# KiCad board panelized.kicad_pcb (continued)
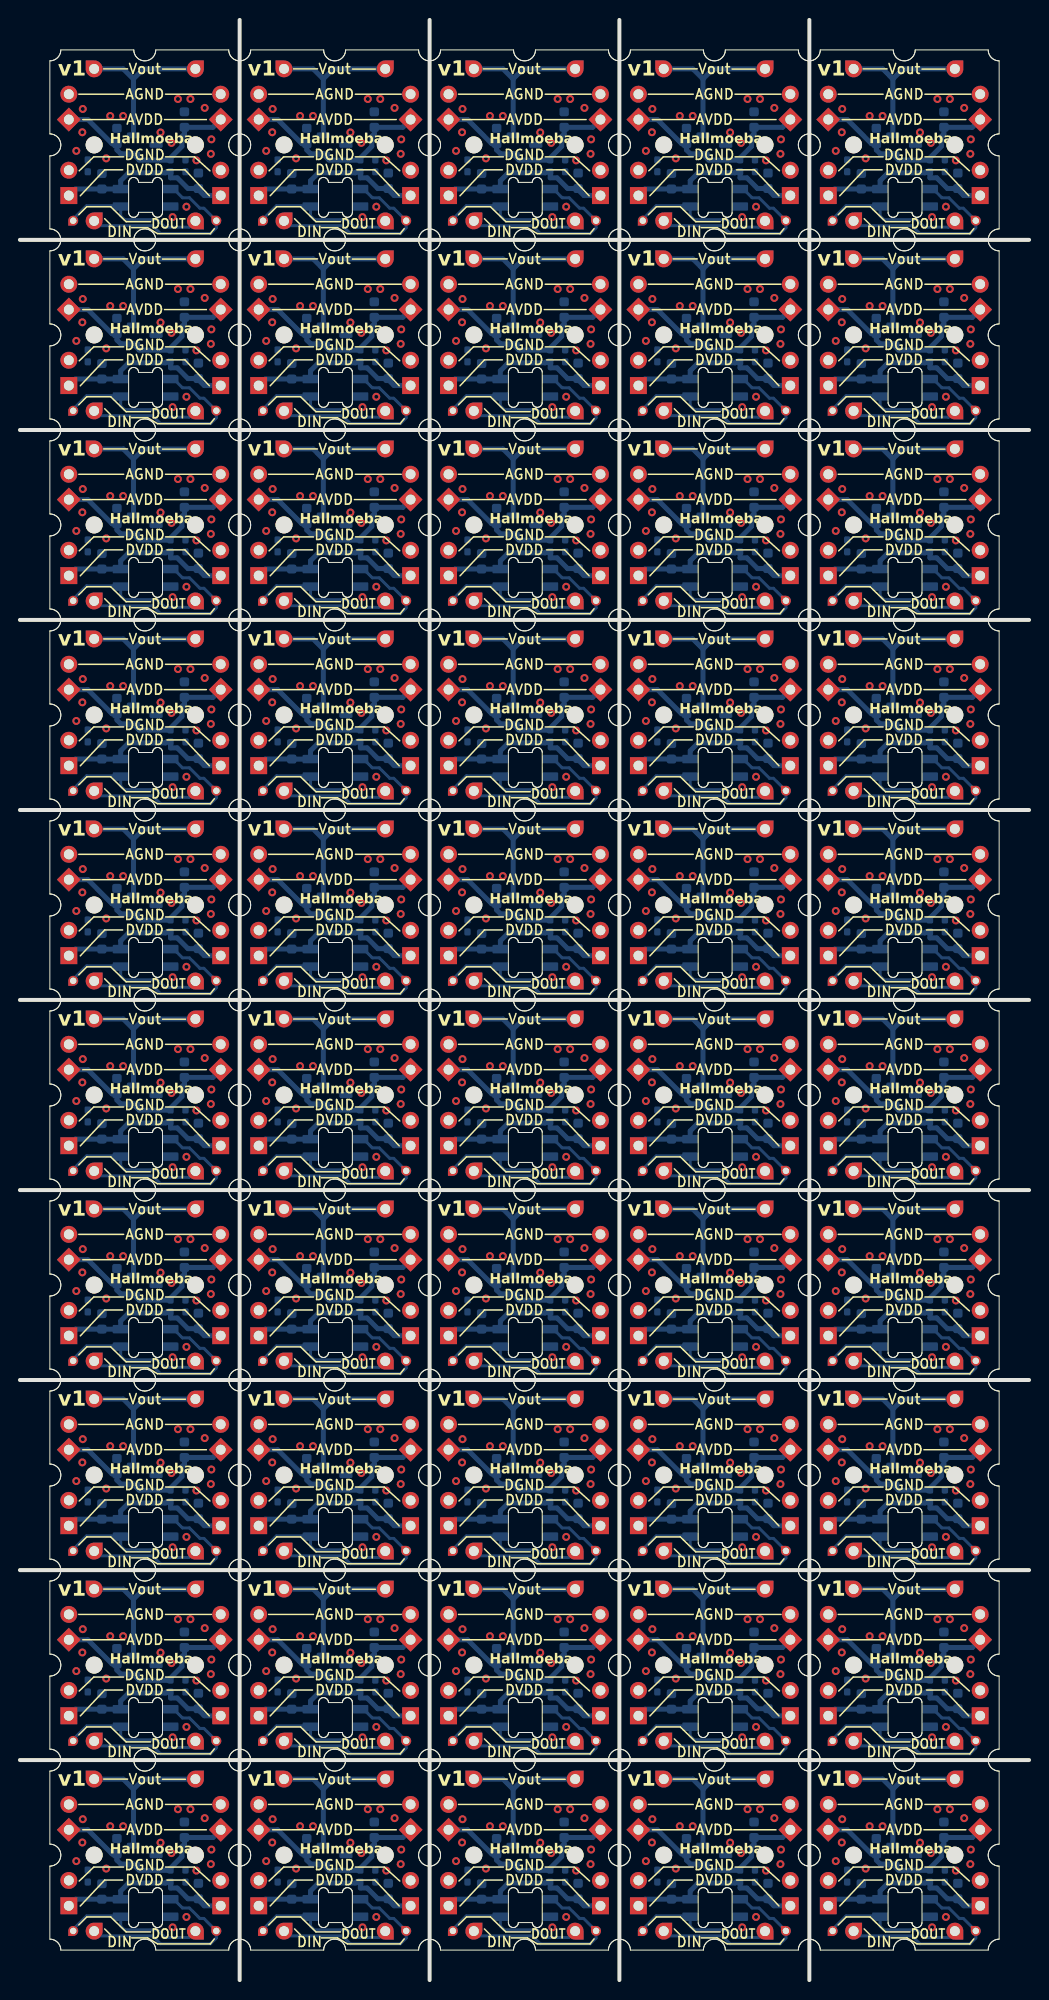
[diagram p0: board, top side]
## Placement (name value [footprint] x y rotation side) (continued)
R1#48  R  [R_0402_1005Metric_Pad0.72x0.64mm_HandSolder]  92.81 143.78 90 bottom
R1#49  R  [R_0402_1005Metric_Pad0.72x0.64mm_HandSolder]  16.61 10.43 90 bottom
R1#50  R  [R_0402_1005Metric_Pad0.72x0.64mm_HandSolder]  73.75 143.78 90 bottom
R2  R  [R_0402_1005Metric_Pad0.72x0.64mm_HandSolder]  44.91 162.82 90 bottom
R2#2  R  [R_0402_1005Metric_Pad0.72x0.64mm_HandSolder]  25.86 67.57 90 bottom
R2#3  R  [R_0402_1005Metric_Pad0.72x0.64mm_HandSolder]  44.91 67.57 90 bottom
R2#4  R  [R_0402_1005Metric_Pad0.72x0.64mm_HandSolder]  6.81 105.67 90 bottom
R2#5  R  [R_0402_1005Metric_Pad0.72x0.64mm_HandSolder]  44.91 143.78 90 bottom
R2#6  R  [R_0402_1005Metric_Pad0.72x0.64mm_HandSolder]  83 86.62 90 bottom
R2#7  R  [R_0402_1005Metric_Pad0.72x0.64mm_HandSolder]  25.86 143.78 90 bottom
R2#8  R  [R_0402_1005Metric_Pad0.72x0.64mm_HandSolder]  83 162.82 90 bottom
R2#9  R  [R_0402_1005Metric_Pad0.72x0.64mm_HandSolder]  25.86 181.88 90 bottom
R2#10  R  [R_0402_1005Metric_Pad0.72x0.64mm_HandSolder]  44.91 29.47 90 bottom
R2#11  R  [R_0402_1005Metric_Pad0.72x0.64mm_HandSolder]  63.96 162.82 90 bottom
R2#12  R  [R_0402_1005Metric_Pad0.72x0.64mm_HandSolder]  44.91 124.72 90 bottom
R2#13  R  [R_0402_1005Metric_Pad0.72x0.64mm_HandSolder]  25.86 48.53 90 bottom
R2#14  R  [R_0402_1005Metric_Pad0.72x0.64mm_HandSolder]  83 105.67 90 bottom
R2#15  R  [R_0402_1005Metric_Pad0.72x0.64mm_HandSolder]  6.81 29.47 90 bottom
R2#16  R  [R_0402_1005Metric_Pad0.72x0.64mm_HandSolder]  25.86 124.72 90 bottom
R2#17  R  [R_0402_1005Metric_Pad0.72x0.64mm_HandSolder]  63.96 67.57 90 bottom
R2#18  R  [R_0402_1005Metric_Pad0.72x0.64mm_HandSolder]  25.86 29.47 90 bottom
R2#19  R  [R_0402_1005Metric_Pad0.72x0.64mm_HandSolder]  63.96 29.47 90 bottom
R2#20  R  [R_0402_1005Metric_Pad0.72x0.64mm_HandSolder]  44.91 105.67 90 bottom
R2#21  R  [R_0402_1005Metric_Pad0.72x0.64mm_HandSolder]  63.96 143.78 90 bottom
R2#22  R  [R_0402_1005Metric_Pad0.72x0.64mm_HandSolder]  25.86 105.67 90 bottom
R2#23  R  [R_0402_1005Metric_Pad0.72x0.64mm_HandSolder]  83 181.88 90 bottom
R2#24  R  [R_0402_1005Metric_Pad0.72x0.64mm_HandSolder]  44.91 48.53 90 bottom
R2#25  R  [R_0402_1005Metric_Pad0.72x0.64mm_HandSolder]  63.96 105.67 90 bottom
R2#26  R  [R_0402_1005Metric_Pad0.72x0.64mm_HandSolder]  6.81 124.72 90 bottom
R2#27  R  [R_0402_1005Metric_Pad0.72x0.64mm_HandSolder]  6.81 86.62 90 bottom
R2#28  R  [R_0402_1005Metric_Pad0.72x0.64mm_HandSolder]  6.81 181.88 90 bottom
R2#29  R  [R_0402_1005Metric_Pad0.72x0.64mm_HandSolder]  63.96 181.88 90 bottom
R2#30  R  [R_0402_1005Metric_Pad0.72x0.64mm_HandSolder]  6.81 10.43 90 bottom
R2#31  R  [R_0402_1005Metric_Pad0.72x0.64mm_HandSolder]  63.96 10.43 90 bottom
R2#32  R  [R_0402_1005Metric_Pad0.72x0.64mm_HandSolder]  63.96 86.62 90 bottom
R2#33  R  [R_0402_1005Metric_Pad0.72x0.64mm_HandSolder]  63.96 124.72 90 bottom
R2#34  R  [R_0402_1005Metric_Pad0.72x0.64mm_HandSolder]  63.96 48.53 90 bottom
R2#35  R  [R_0402_1005Metric_Pad0.72x0.64mm_HandSolder]  83 10.43 90 bottom
R2#36  R  [R_0402_1005Metric_Pad0.72x0.64mm_HandSolder]  6.81 48.53 90 bottom
R2#37  R  [R_0402_1005Metric_Pad0.72x0.64mm_HandSolder]  83 48.53 90 bottom
R2#38  R  [R_0402_1005Metric_Pad0.72x0.64mm_HandSolder]  44.91 10.43 90 bottom
R2#39  R  [R_0402_1005Metric_Pad0.72x0.64mm_HandSolder]  25.86 86.62 90 bottom
R2#40  R  [R_0402_1005Metric_Pad0.72x0.64mm_HandSolder]  25.86 162.82 90 bottom
R2#41  R  [R_0402_1005Metric_Pad0.72x0.64mm_HandSolder]  6.81 143.78 90 bottom
R2#42  R  [R_0402_1005Metric_Pad0.72x0.64mm_HandSolder]  44.91 181.88 90 bottom
R2#43  R  [R_0402_1005Metric_Pad0.72x0.64mm_HandSolder]  6.81 67.57 90 bottom
R2#44  R  [R_0402_1005Metric_Pad0.72x0.64mm_HandSolder]  83 124.72 90 bottom
R2#45  R  [R_0402_1005Metric_Pad0.72x0.64mm_HandSolder]  83 67.57 90 bottom
R2#46  R  [R_0402_1005Metric_Pad0.72x0.64mm_HandSolder]  83 143.78 90 bottom
R2#47  R  [R_0402_1005Metric_Pad0.72x0.64mm_HandSolder]  83 29.47 90 bottom
R2#48  R  [R_0402_1005Metric_Pad0.72x0.64mm_HandSolder]  25.86 10.43 90 bottom
R2#49  R  [R_0402_1005Metric_Pad0.72x0.64mm_HandSolder]  44.91 86.62 90 bottom
R2#50  R  [R_0402_1005Metric_Pad0.72x0.64mm_HandSolder]  6.81 162.82 90 bottom
R3  R  [R_0402_1005Metric_Pad0.72x0.64mm_HandSolder]  34.16 10.43 90 bottom
R3#2  R  [R_0402_1005Metric_Pad0.72x0.64mm_HandSolder]  91.31 86.62 90 bottom
R3#3  R  [R_0402_1005Metric_Pad0.72x0.64mm_HandSolder]  53.21 181.88 90 bottom
R3#4  R  [R_0402_1005Metric_Pad0.72x0.64mm_HandSolder]  34.16 86.62 90 bottom
R3#5  R  [R_0402_1005Metric_Pad0.72x0.64mm_HandSolder]  72.25 124.72 90 bottom
R3#6  R  [R_0402_1005Metric_Pad0.72x0.64mm_HandSolder]  72.25 86.62 90 bottom
R3#7  R  [R_0402_1005Metric_Pad0.72x0.64mm_HandSolder]  72.25 162.82 90 bottom
R3#8  R  [R_0402_1005Metric_Pad0.72x0.64mm_HandSolder]  72.25 29.47 90 bottom
R3#9  R  [R_0402_1005Metric_Pad0.72x0.64mm_HandSolder]  91.31 162.82 90 bottom
R3#10  R  [R_0402_1005Metric_Pad0.72x0.64mm_HandSolder]  53.21 29.47 90 bottom
R3#11  R  [R_0402_1005Metric_Pad0.72x0.64mm_HandSolder]  72.25 67.57 90 bottom
R3#12  R  [R_0402_1005Metric_Pad0.72x0.64mm_HandSolder]  91.31 67.57 90 bottom
R3#13  R  [R_0402_1005Metric_Pad0.72x0.64mm_HandSolder]  34.16 162.82 90 bottom
R3#14  R  [R_0402_1005Metric_Pad0.72x0.64mm_HandSolder]  34.16 181.88 90 bottom
R3#15  R  [R_0402_1005Metric_Pad0.72x0.64mm_HandSolder]  34.16 105.67 90 bottom
R3#16  R  [R_0402_1005Metric_Pad0.72x0.64mm_HandSolder]  15.11 162.82 90 bottom
R3#17  R  [R_0402_1005Metric_Pad0.72x0.64mm_HandSolder]  15.11 181.88 90 bottom
R3#18  R  [R_0402_1005Metric_Pad0.72x0.64mm_HandSolder]  91.31 181.88 90 bottom
R3#19  R  [R_0402_1005Metric_Pad0.72x0.64mm_HandSolder]  15.11 29.47 90 bottom
R3#20  R  [R_0402_1005Metric_Pad0.72x0.64mm_HandSolder]  72.25 105.67 90 bottom
R3#21  R  [R_0402_1005Metric_Pad0.72x0.64mm_HandSolder]  15.11 10.43 90 bottom
R3#22  R  [R_0402_1005Metric_Pad0.72x0.64mm_HandSolder]  91.31 143.78 90 bottom
R3#23  R  [R_0402_1005Metric_Pad0.72x0.64mm_HandSolder]  91.31 10.43 90 bottom
R3#24  R  [R_0402_1005Metric_Pad0.72x0.64mm_HandSolder]  53.21 143.78 90 bottom
R3#25  R  [R_0402_1005Metric_Pad0.72x0.64mm_HandSolder]  72.25 48.53 90 bottom
R3#26  R  [R_0402_1005Metric_Pad0.72x0.64mm_HandSolder]  53.21 105.67 90 bottom
R3#27  R  [R_0402_1005Metric_Pad0.72x0.64mm_HandSolder]  15.11 86.62 90 bottom
R3#28  R  [R_0402_1005Metric_Pad0.72x0.64mm_HandSolder]  53.21 67.57 90 bottom
R3#29  R  [R_0402_1005Metric_Pad0.72x0.64mm_HandSolder]  91.31 29.47 90 bottom
R3#30  R  [R_0402_1005Metric_Pad0.72x0.64mm_HandSolder]  72.25 181.88 90 bottom
R3#31  R  [R_0402_1005Metric_Pad0.72x0.64mm_HandSolder]  91.31 48.53 90 bottom
R3#32  R  [R_0402_1005Metric_Pad0.72x0.64mm_HandSolder]  72.25 143.78 90 bottom
R3#33  R  [R_0402_1005Metric_Pad0.72x0.64mm_HandSolder]  53.21 86.62 90 bottom
R3#34  R  [R_0402_1005Metric_Pad0.72x0.64mm_HandSolder]  91.31 105.67 90 bottom
R3#35  R  [R_0402_1005Metric_Pad0.72x0.64mm_HandSolder]  34.16 143.78 90 bottom
R3#36  R  [R_0402_1005Metric_Pad0.72x0.64mm_HandSolder]  53.21 162.82 90 bottom
R3#37  R  [R_0402_1005Metric_Pad0.72x0.64mm_HandSolder]  72.25 10.43 90 bottom
R3#38  R  [R_0402_1005Metric_Pad0.72x0.64mm_HandSolder]  15.11 67.57 90 bottom
R3#39  R  [R_0402_1005Metric_Pad0.72x0.64mm_HandSolder]  53.21 48.53 90 bottom
R3#40  R  [R_0402_1005Metric_Pad0.72x0.64mm_HandSolder]  53.21 10.43 90 bottom
R3#41  R  [R_0402_1005Metric_Pad0.72x0.64mm_HandSolder]  15.11 48.53 90 bottom
R3#42  R  [R_0402_1005Metric_Pad0.72x0.64mm_HandSolder]  34.16 29.47 90 bottom
R3#43  R  [R_0402_1005Metric_Pad0.72x0.64mm_HandSolder]  53.21 124.72 90 bottom
R3#44  R  [R_0402_1005Metric_Pad0.72x0.64mm_HandSolder]  91.31 124.72 90 bottom
R3#45  R  [R_0402_1005Metric_Pad0.72x0.64mm_HandSolder]  34.16 67.57 90 bottom
R3#46  R  [R_0402_1005Metric_Pad0.72x0.64mm_HandSolder]  15.11 124.72 90 bottom
R3#47  R  [R_0402_1005Metric_Pad0.72x0.64mm_HandSolder]  15.11 105.67 90 bottom
R3#48  R  [R_0402_1005Metric_Pad0.72x0.64mm_HandSolder]  15.11 143.78 90 bottom
R3#49  R  [R_0402_1005Metric_Pad0.72x0.64mm_HandSolder]  34.16 48.53 90 bottom
R3#50  R  [R_0402_1005Metric_Pad0.72x0.64mm_HandSolder]  34.16 124.72 90 bottom
SW  -  [SW_Lekker_MX_1.00u_PCB]  50.62 12.53 180 top
SW#2  -  [SW_Lekker_MX_1.00u_PCB]  88.72 31.57 180 top
SW#3  -  [SW_Lekker_MX_1.00u_PCB]  50.62 50.62 180 top
SW#4  -  [SW_Lekker_MX_1.00u_PCB]  12.53 183.97 180 top
SW#5  -  [SW_Lekker_MX_1.00u_PCB]  50.62 31.57 180 top
SW#6  -  [SW_Lekker_MX_1.00u_PCB]  31.57 50.62 180 top
SW#7  -  [SW_Lekker_MX_1.00u_PCB]  69.68 164.93 180 top
SW#8  -  [SW_Lekker_MX_1.00u_PCB]  12.53 69.68 180 top
SW#9  -  [SW_Lekker_MX_1.00u_PCB]  88.72 69.68 180 top
SW#10  -  [SW_Lekker_MX_1.00u_PCB]  50.62 107.78 180 top
SW#11  -  [SW_Lekker_MX_1.00u_PCB]  50.62 164.93 180 top
SW#12  -  [SW_Lekker_MX_1.00u_PCB]  12.53 50.62 180 top
SW#13  -  [SW_Lekker_MX_1.00u_PCB]  12.53 31.57 180 top
SW#14  -  [SW_Lekker_MX_1.00u_PCB]  88.72 50.62 180 top
SW#15  -  [SW_Lekker_MX_1.00u_PCB]  50.62 69.68 180 top
SW#16  -  [SW_Lekker_MX_1.00u_PCB]  12.53 126.83 180 top
SW#17  -  [SW_Lekker_MX_1.00u_PCB]  12.53 107.78 180 top
SW#18  -  [SW_Lekker_MX_1.00u_PCB]  88.72 164.93 180 top
SW#19  -  [SW_Lekker_MX_1.00u_PCB]  69.68 183.97 180 top
SW#20  -  [SW_Lekker_MX_1.00u_PCB]  69.68 126.83 180 top
SW#21  -  [SW_Lekker_MX_1.00u_PCB]  69.68 88.72 180 top
SW#22  -  [SW_Lekker_MX_1.00u_PCB]  12.53 164.93 180 top
SW#23  -  [SW_Lekker_MX_1.00u_PCB]  69.68 69.68 180 top
SW#24  -  [SW_Lekker_MX_1.00u_PCB]  12.53 145.88 180 top
SW#25  -  [SW_Lekker_MX_1.00u_PCB]  31.57 88.72 180 top
SW#26  -  [SW_Lekker_MX_1.00u_PCB]  88.72 145.88 180 top
SW#27  -  [SW_Lekker_MX_1.00u_PCB]  88.72 107.78 180 top
SW#28  -  [SW_Lekker_MX_1.00u_PCB]  12.53 88.72 180 top
SW#29  -  [SW_Lekker_MX_1.00u_PCB]  31.57 12.53 180 top
SW#30  -  [SW_Lekker_MX_1.00u_PCB]  50.62 145.88 180 top
SW#31  -  [SW_Lekker_MX_1.00u_PCB]  69.68 107.78 180 top
SW#32  -  [SW_Lekker_MX_1.00u_PCB]  31.57 69.68 180 top
SW#33  -  [SW_Lekker_MX_1.00u_PCB]  88.72 88.72 180 top
SW#34  -  [SW_Lekker_MX_1.00u_PCB]  69.68 145.88 180 top
SW#35  -  [SW_Lekker_MX_1.00u_PCB]  69.68 12.53 180 top
SW#36  -  [SW_Lekker_MX_1.00u_PCB]  31.57 164.93 180 top
SW#37  -  [SW_Lekker_MX_1.00u_PCB]  88.72 12.53 180 top
SW#38  -  [SW_Lekker_MX_1.00u_PCB]  88.72 126.83 180 top
SW#39  -  [SW_Lekker_MX_1.00u_PCB]  88.72 183.97 180 top
SW#40  -  [SW_Lekker_MX_1.00u_PCB]  50.62 126.83 180 top
SW#41  -  [SW_Lekker_MX_1.00u_PCB]  69.68 31.57 180 top
SW#42  -  [SW_Lekker_MX_1.00u_PCB]  31.57 107.78 180 top
SW#43  -  [SW_Lekker_MX_1.00u_PCB]  12.53 12.53 180 top
SW#44  -  [SW_Lekker_MX_1.00u_PCB]  50.62 183.97 180 top
SW#45  -  [SW_Lekker_MX_1.00u_PCB]  31.57 183.97 180 top
SW#46  -  [SW_Lekker_MX_1.00u_PCB]  31.57 126.83 180 top
SW#47  -  [SW_Lekker_MX_1.00u_PCB]  69.68 50.62 180 top
SW#48  -  [SW_Lekker_MX_1.00u_PCB]  31.57 145.88 180 top
SW#49  -  [SW_Lekker_MX_1.00u_PCB]  50.62 88.72 180 top
SW#50  -  [SW_Lekker_MX_1.00u_PCB]  31.57 31.57 180 top
U1  SLSS49E  [SOT-23-3]  50.62 145.88 0 bottom
U1#2  SLSS49E  [SOT-23-3]  50.62 50.62 0 bottom
U1#3  SLSS49E  [SOT-23-3]  31.57 126.83 0 bottom
U1#4  SLSS49E  [SOT-23-3]  50.62 69.68 0 bottom
U1#5  SLSS49E  [SOT-23-3]  12.53 31.57 0 bottom
U1#6  SLSS49E  [SOT-23-3]  69.68 88.72 0 bottom
U1#7  SLSS49E  [SOT-23-3]  50.62 164.93 0 bottom
U1#8  SLSS49E  [SOT-23-3]  69.68 50.62 0 bottom
U1#9  SLSS49E  [SOT-23-3]  31.57 31.57 0 bottom
U1#10  SLSS49E  [SOT-23-3]  88.72 69.68 0 bottom
U1#11  SLSS49E  [SOT-23-3]  88.72 12.53 0 bottom
U1#12  SLSS49E  [SOT-23-3]  31.57 145.88 0 bottom
U1#13  SLSS49E  [SOT-23-3]  12.53 145.88 0 bottom
U1#14  SLSS49E  [SOT-23-3]  88.72 50.62 0 bottom
U1#15  SLSS49E  [SOT-23-3]  50.62 88.72 0 bottom
U1#16  SLSS49E  [SOT-23-3]  12.53 88.72 0 bottom
U1#17  SLSS49E  [SOT-23-3]  12.53 12.53 0 bottom
U1#18  SLSS49E  [SOT-23-3]  12.53 164.93 0 bottom
U1#19  SLSS49E  [SOT-23-3]  88.72 31.57 0 bottom
U1#20  SLSS49E  [SOT-23-3]  88.72 183.97 0 bottom
U1#21  SLSS49E  [SOT-23-3]  50.62 183.97 0 bottom
U1#22  SLSS49E  [SOT-23-3]  69.68 183.97 0 bottom
U1#23  SLSS49E  [SOT-23-3]  50.62 12.53 0 bottom
U1#24  SLSS49E  [SOT-23-3]  88.72 145.88 0 bottom
U1#25  SLSS49E  [SOT-23-3]  50.62 107.78 0 bottom
U1#26  SLSS49E  [SOT-23-3]  12.53 50.62 0 bottom
U1#27  SLSS49E  [SOT-23-3]  69.68 31.57 0 bottom
U1#28  SLSS49E  [SOT-23-3]  31.57 183.97 0 bottom
U1#29  SLSS49E  [SOT-23-3]  31.57 50.62 0 bottom
U1#30  SLSS49E  [SOT-23-3]  12.53 183.97 0 bottom
U1#31  SLSS49E  [SOT-23-3]  50.62 126.83 0 bottom
U1#32  SLSS49E  [SOT-23-3]  31.57 69.68 0 bottom
U1#33  SLSS49E  [SOT-23-3]  12.53 69.68 0 bottom
U1#34  SLSS49E  [SOT-23-3]  69.68 126.83 0 bottom
U1#35  SLSS49E  [SOT-23-3]  31.57 164.93 0 bottom
U1#36  SLSS49E  [SOT-23-3]  88.72 88.72 0 bottom
U1#37  SLSS49E  [SOT-23-3]  69.68 107.78 0 bottom
U1#38  SLSS49E  [SOT-23-3]  12.53 126.83 0 bottom
U1#39  SLSS49E  [SOT-23-3]  88.72 126.83 0 bottom
U1#40  SLSS49E  [SOT-23-3]  50.62 31.57 0 bottom
U1#41  SLSS49E  [SOT-23-3]  31.57 12.53 0 bottom
U1#42  SLSS49E  [SOT-23-3]  31.57 107.78 0 bottom
U1#43  SLSS49E  [SOT-23-3]  12.53 107.78 0 bottom
U1#44  SLSS49E  [SOT-23-3]  88.72 107.78 0 bottom
U1#45  SLSS49E  [SOT-23-3]  69.68 12.53 0 bottom
U1#46  SLSS49E  [SOT-23-3]  69.68 69.68 0 bottom
U1#47  SLSS49E  [SOT-23-3]  88.72 164.93 0 bottom
U1#48  SLSS49E  [SOT-23-3]  69.68 164.93 0 bottom
U1#49  SLSS49E  [SOT-23-3]  31.57 88.72 0 bottom
U1#50  SLSS49E  [SOT-23-3]  69.68 145.88 0 bottom

## Library data of the parts
C1 C1#2-C1#50 C2 C2#2-C2#50 C3 C3#2-C3#50 C4 C4#2-C4#50 = -: Description: Unpolarized capacitor
J1 J1#2-J1#50 J2 J2#2-J2#50 J3 J3#2-J3#50 J4 J4#2-J4#50 J5 J5#2-J5#50 J6 J6#2-J6#50 J7 J7#2-J7#50 J8 J8#2-J8#50 J9 J9#2-J9#50 J10 J10#2-J10#50 J11 J11#2-J11#50 J12 J12#2-J12#50 J13 J13#2-J13#50 J14 J14#2-J14#50 = -: Description: Generic connector, single row, 01x01, script generated
R1 R1#2-R1#50 R2 R2#2-R2#50 R3 R3#2-R3#50 = -: Description: Resistor

## Footprints (pads in the part's own frame, mm; a bottom-side part is the same pattern mirrored in y, then rotated)
C_0603_1608Metric
  rrect 0.9x0.95 smd: 1(-0.775,0) 2(0.775,0)
PinHeader_1x01_P1.27mm_Vertical
  custom 1x1 hole 0.65: 1(0,0)
PinHeader_1x01_P2.54mm_Vertical
  custom 1.7x1.7 hole 1: 1(0,0)
PinHeader_1x01_P2.54mm_Vertical#2
  rect 1.7x1.7 hole 1: 1(0,0)
PinHeader_1x01_P2.54mm_Vertical#3
  round 1.7 hole 1: 1(0,0)
PinHeader_1x01_P2.54mm_Vertical#4
  rect 1.7x1.7 hole 1 rot 135: 1(0,0)
R_0402_1005Metric_Pad0.72x0.64mm_HandSolder
  rrect 0.715x0.64 smd: 1(-0.598,0) 2(0.598,0)
SK6812MINI_E
  rrect 1.6x0.85 smd: 1(-2.5,-0.875) 2(-2.5,0.875) 3(2.5,0.875) 4(2.5,-0.875)
SOT-23-3
  rrect 1.325x0.6 smd: 1(-1.137,0.95) 2(-1.137,-0.95) 3(1.137,0)
SW_Lekker_MX_1.00u_PCB
  round 1.7 hole 1.7 unplated: (-5.08,0) (5.08,0)

## Nets
Board_0-GNDA: C3#18.1 C4#50.1 J3#13.1 J4#2.1 R1#11.2 R2#28.2 U1#30.3
Board_0-GNDD: C1#32.1 C2#34.1 D1#43.3 J7#22.1 J8#25.1 R1#11.1 R2#28.1
Board_0-LED_IN: D1#43.4 J13#44.1 J14#17.1
Board_0-LED_OUT: D1#43.2 J11#9.1 J12#28.1
Board_0-VDD: C1#32.2 C2#34.2 D1#43.1 J1#31.1 J2#19.1 R3#17.1
Board_0-VDDA: C3#18.2 C4#50.2 J5#18.1 J6#9.1 R3#17.2 U1#30.1
Board_0-Vout: J9#46.1 J10#3.1 U1#30.2
Board_1-GNDA: C3#3.1 C4#31.1 J3#17.1 J4#23.1 R1#32.2 R2#9.2 U1#28.3
Board_1-GNDD: C1#44.1 C2#24.1 D1#44.3 J7#7.1 J8#48.1 R1#32.1 R2#9.1
Board_1-LED_IN: D1#44.4 J13#27.1 J14#39.1
Board_1-LED_OUT: D1#44.2 J11#30.1 J12#9.1
Board_1-VDD: C1#44.2 C2#24.2 D1#44.1 J1#3.1 J2#11.1 R3#14.1
Board_1-VDDA: C3#3.2 C4#31.2 J5#27.1 J6#26.1 R3#14.2 U1#28.1
Board_1-Vout: J9#2.1 J10#23.1 U1#28.2
Board_2-GNDA: C3#34.1 C4#41.1 J3#36.1 J4#25.1 R1#47.2 R2#42.2 U1#21.3
Board_2-GNDD: C1#39.1 C2#41.1 D1#21.3 J7#26.1 J8#23.1 R1#47.1 R2#42.1
Board_2-LED_IN: D1#21.4 J13#33.1 J14#19.1
Board_2-LED_OUT: D1#21.2 J11#47.1 J12#22.1
Board_2-VDD: C1#39.2 C2#41.2 D1#21.1 J1#36.1 J2.1 R3#3.1
Board_2-VDDA: C3#34.2 C4#41.2 J5#39.1 J6#15.1 R3#3.2 U1#21.1
Board_2-Vout: J9#5.1 J10#26.1 U1#21.2
Board_3-GNDA: C3#45.1 C4#22.1 J3#44.1 J4#28.1 R1#46.2 R2#29.2 U1#22.3
Board_3-GNDD: C1#35.1 C2#3.1 D1#38.3 J7#16.1 J8#24.1 R1#46.1 R2#29.1
Board_3-LED_IN: D1#38.4 J13#23.1 J14#20.1
Board_3-LED_OUT: D1#38.2 J11#37.1 J12#43.1
Board_3-VDD: C1#35.2 C2#3.2 D1#38.1 J1#11.1 J2#47.1 R3#30.1
Board_3-VDDA: C3#45.2 C4#22.2 J5#12.1 J6#4.1 R3#30.2 U1#22.1
Board_3-Vout: J9#9.1 J10#41.1 U1#22.2
Board_4-GNDA: C3#10.1 C4#21.1 J3#27.1 J4#22.1 R1#35.2 R2#23.2 U1#20.3
Board_4-GNDD: C1#18.1 C2#16.1 D1#2.3 J7#42.1 J8#49.1 R1#35.1 R2#23.1
Board_4-LED_IN: D1#2.4 J13#37.1 J14#31.1
Board_4-LED_OUT: D1#2.2 J11#27.1 J12#8.1
Board_4-VDD: C1#18.2 C2#16.2 D1#2.1 J1#25.1 J2#5.1 R3#18.1
Board_4-VDDA: C3#10.2 C4#21.2 J5#11.1 J6#16.1 R3#18.2 U1#20.1
Board_4-Vout: J9#25.1 J10#40.1 U1#20.2
Board_5-GNDA: C3#24.1 C4#18.1 J3#19.1 J4#34.1 R1#22.2 R2#50.2 U1#18.3
Board_5-GNDD: C1#29.1 C2.1 D1#18.3 J7#12.1 J8#21.1 R1#22.1 R2#50.1
Board_5-LED_IN: D1#18.4 J13#40.1 J14#8.1
Board_5-LED_OUT: D1#18.2 J11#40.1 J12#11.1
Board_5-VDD: C1#29.2 C2.2 D1#18.1 J1#23.1 J2#43.1 R3#16.1
Board_5-VDDA: C3#24.2 C4#18.2 J5#47.1 J6#5.1 R3#16.2 U1#18.1
Board_5-Vout: J9#27.1 J10#42.1 U1#18.2
Board_6-GNDA: C3#42.1 C4#35.1 J3#39.1 J4#38.1 R1#9.2 R2#40.2 U1#35.3
Board_6-GNDD: C1#28.1 C2#50.1 D1#49.3 J7#38.1 J8#35.1 R1#9.1 R2#40.1
Board_6-LED_IN: D1#49.4 J13#38.1 J14#15.1
Board_6-LED_OUT: D1#49.2 J11#49.1 J12#32.1
Board_6-VDD: C1#28.2 C2#50.2 D1#49.1 J1#27.1 J2#48.1 R3#13.1
Board_6-VDDA: C3#42.2 C4#35.2 J5#48.1 J6#47.1 R3#13.2 U1#35.1
Board_6-Vout: J9#26.1 J10#12.1 U1#35.2
Board_7-GNDA: C3#48.1 C4#19.1 J3#47.1 J4#8.1 R1#41.2 R2.2 U1#7.3
Board_7-GNDD: C1#38.1 C2#33.1 D1#22.3 J7#34.1 J8#4.1 R1#41.1 R2.1
Board_7-LED_IN: D1#22.4 J13.1 J14#48.1
Board_7-LED_OUT: D1#22.2 J11#23.1 J12#45.1
Board_7-VDD: C1#38.2 C2#33.2 D1#22.1 J1#41.1 J2#13.1 R3#36.1
Board_7-VDDA: C3#48.2 C4#19.2 J5#31.1 J6#48.1 R3#36.2 U1#7.1
Board_7-Vout: J9#8.1 J10#6.1 U1#7.2
Board_8-GNDA: C3#7.1 C4#11.1 J3#29.1 J4#44.1 R1#10.2 R2#11.2 U1#48.3
Board_8-GNDD: C1.1 C2#38.1 D1#7.3 J7#23.1 J8#42.1 R1#10.1 R2#11.1
Board_8-LED_IN: D1#7.4 J13#24.1 J14#18.1
Board_8-LED_OUT: D1#7.2 J11#15.1 J12#25.1
Board_8-VDD: C1.2 C2#38.2 D1#7.1 J1#18.1 J2#38.1 R3#7.1
Board_8-VDDA: C3#7.2 C4#11.2 J5#28.1 J6#37.1 R3#7.2 U1#48.1
Board_8-Vout: J9#24.1 J10#33.1 U1#48.2
Board_9-GNDA: C3#25.1 C4#26.1 J3#43.1 J4#43.1 R1.2 R2#8.2 U1#47.3
Board_9-GNDD: C1#11.1 C2#21.1 D1#5.3 J7.1 J8#3.1 R1.1 R2#8.1
Board_9-LED_IN: D1#5.4 J13#34.1 J14#45.1
Board_9-LED_OUT: D1#5.2 J11#33.1 J12#50.1
Board_9-VDD: C1#11.2 C2#21.2 D1#5.1 J1#26.1 J2#33.1 R3#9.1
Board_9-VDDA: C3#25.2 C4#26.2 J5#36.1 J6#29.1 R3#9.2 U1#47.1
Board_9-Vout: J9#18.1 J10#11.1 U1#47.2
Board_10-GNDA: C3#47.1 C4.1 J3#38.1 J4#48.1 R1#30.2 R2#41.2 U1#13.3
Board_10-GNDD: C1#19.1 C2#30.1 D1#33.3 J7#3.1 J8#40.1 R1#30.1 R2#41.1
Board_10-LED_IN: D1#33.4 J13#5.1 J14#40.1
Board_10-LED_OUT: D1#33.2 J11#8.1 J12#3.1
Board_10-VDD: C1#19.2 C2#30.2 D1#33.1 J1#35.1 J2#3.1 R3#48.1
Board_10-VDDA: C3#47.2 C4.2 J5#16.1 J6#33.1 R3#48.2 U1#13.1
Board_10-Vout: J9#29.1 J10#37.1 U1#13.2
Board_11-GNDA: C3#31.1 C4#4.1 J3#24.1 J4#9.1 R1#13.2 R2#7.2 U1#12.3
Board_11-GNDD: C1#25.1 C2#44.1 D1#23.3 J7#35.1 J8#34.1 R1#13.1 R2#7.1
Board_11-LED_IN: D1#23.4 J13#28.1 J14#6.1
Board_11-LED_OUT: D1#23.2 J11#48.1 J12.1
Board_11-VDD: C1#25.2 C2#44.2 D1#23.1 J1#20.1 J2#45.1 R3#35.1
Board_11-VDDA: C3#31.2 C4#4.2 J5#50.1 J6#46.1 R3#35.2 U1#12.1
Board_11-Vout: J9#41.1 J10#20.1 U1#12.2
Board_12-GNDA: C3#4.1 C4#30.1 J3#32.1 J4#19.1 R1#45.2 R2#5.2 U1.3
Board_12-GNDD: C1#22.1 C2#17.1 D1#41.3 J7#8.1 J8#7.1 R1#45.1 R2#5.1
Board_12-LED_IN: D1#41.4 J13#12.1 J14#14.1
Board_12-LED_OUT: D1#41.2 J11#16.1 J12#7.1
Board_12-VDD: C1#22.2 C2#17.2 D1#41.1 J1#49.1 J2#17.1 R3#24.1
Board_12-VDDA: C3#4.2 C4#30.2 J5#42.1 J6#3.1 R3#24.2 U1.1
Board_12-Vout: J9#48.1 J10#39.1 U1.2
Board_13-GNDA: C3#15.1 C4#24.1 J3#21.1 J4#11.1 R1#50.2 R2#21.2 U1#50.3
Board_13-GNDD: C1#24.1 C2#48.1 D1#48.3 J7#18.1 J8#33.1 R1#50.1 R2#21.1
Board_13-LED_IN: D1#48.4 J13#41.1 J14#37.1
Board_13-LED_OUT: D1#48.2 J11#19.1 J12#27.1
Board_13-VDD: C1#24.2 C2#48.2 D1#48.1 J1#46.1 J2#35.1 R3#32.1
Board_13-VDDA: C3#15.2 C4#24.2 J5#29.1 J6#25.1 R3#32.2 U1#50.1
Board_13-Vout: J9#45.1 J10#22.1 U1#50.2
Board_14-GNDA: C3#41.1 C4#49.1 J3#34.1 J4#6.1 R1#48.2 R2#46.2 U1#24.3
Board_14-GNDD: C1#40.1 C2#28.1 D1#11.3 J7#27.1 J8#39.1 R1#48.1 R2#46.1
Board_14-LED_IN: D1#11.4 J13#29.1 J14#46.1
Board_14-LED_OUT: D1#11.2 J11#29.1 J12#30.1
Board_14-VDD: C1#40.2 C2#28.2 D1#11.1 J1#17.1 J2#32.1 R3#22.1
Board_14-VDDA: C3#41.2 C4#49.2 J5#17.1 J6#31.1 R3#22.2 U1#24.1
Board_14-Vout: J9#38.1 J10#36.1 U1#24.2
Board_15-GNDA: C3#8.1 C4#43.1 J3#15.1 J4#29.1 R1#29.2 R2#26.2 U1#38.3
Board_15-GNDD: C1#50.1 C2#31.1 D1#4.3 J7#32.1 J8#41.1 R1#29.1 R2#26.1
Board_15-LED_IN: D1#4.4 J13#42.1 J14#29.1
Board_15-LED_OUT: D1#4.2 J11#24.1 J12#46.1
Board_15-VDD: C1#50.2 C2#31.2 D1#4.1 J1#47.1 J2#25.1 R3#46.1
Board_15-VDDA: C3#8.2 C4#43.2 J5#23.1 J6#6.1 R3#46.2 U1#38.1
Board_15-Vout: J9#44.1 J10#8.1 U1#38.2
Board_16-GNDA: C3#43.1 C4#20.1 J3#3.1 J4#30.1 R1#17.2 R2#16.2 U1#3.3
Board_16-GNDD: C1#14.1 C2#14.1 D1#19.3 J7#25.1 J8#22.1 R1#17.1 R2#16.1
Board_16-LED_IN: D1#19.4 J13#49.1 J14#7.1
Board_16-LED_OUT: D1#19.2 J11#13.1 J12#12.1
Board_16-VDD: C1#14.2 C2#14.2 D1#19.1 J1#7.1 J2#12.1 R3#50.1
Board_16-VDDA: C3#43.2 C4#20.2 J5#15.1 J6#22.1 R3#50.2 U1#3.1
Board_16-Vout: J9#7.1 J10#18.1 U1#3.2
Board_17-GNDA: C3#36.1 C4#28.1 J3#25.1 J4#24.1 R1#38.2 R2#12.2 U1#31.3
Board_17-GNDD: C1#4.1 C2#49.1 D1#47.3 J7#28.1 J8#17.1 R1#38.1 R2#12.1
Board_17-LED_IN: D1#47.4 J13#11.1 J14#21.1
Board_17-LED_OUT: D1#47.2 J11#41.1 J12#39.1
Board_17-VDD: C1#4.2 C2#49.2 D1#47.1 J1#19.1 J2#28.1 R3#43.1
Board_17-VDDA: C3#36.2 C4#28.2 J5#5.1 J6#20.1 R3#43.2 U1#31.1
Board_17-Vout: J9#37.1 J10#30.1 U1#31.2
Board_18-GNDA: C3#33.1 C4#17.1 J3#49.1 J4#40.1 R1#5.2 R2#33.2 U1#34.3
Board_18-GNDD: C1#31.1 C2#27.1 D1#26.3 J7#41.1 J8#19.1 R1#5.1 R2#33.1
Board_18-LED_IN: D1#26.4 J13#30.1 J14#33.1
Board_18-LED_OUT: D1#26.2 J11#36.1 J12#34.1
Board_18-VDD: C1#31.2 C2#27.2 D1#26.1 J1#37.1 J2#42.1 R3#5.1
Board_18-VDDA: C3#33.2 C4#17.2 J5#43.1 J6#38.1 R3#5.2 U1#34.1
Board_18-Vout: J9#35.1 J10.1 U1#34.2
Board_19-GNDA: C3#37.1 C4#37.1 J3#16.1 J4#16.1 R1#24.2 R2#44.2 U1#39.3
Board_19-GNDD: C1#12.1 C2#35.1 D1#8.3 J7#15.1 J8#15.1 R1#24.1 R2#44.1
Board_19-LED_IN: D1#8.4 J13#39.1 J14#16.1
Board_19-LED_OUT: D1#8.2 J11#43.1 J12#29.1
Board_19-VDD: C1#12.2 C2#35.2 D1#8.1 J1#22.1 J2#26.1 R3#44.1
Board_19-VDDA: C3#37.2 C4#37.2 J5#24.1 J6#24.1 R3#44.2 U1#39.1
Board_19-Vout: J9#12.1 J10#17.1 U1#39.2
Board_20-GNDA: C3#38.1 C4#3.1 J3#10.1 J4#42.1 R1#3.2 R2#4.2 U1#43.3
Board_20-GNDD: C1#13.1 C2#43.1 D1#46.3 J7#6.1 J8#45.1 R1#3.1 R2#4.1
Board_20-LED_IN: D1#46.4 J13#47.1 J14#4.1
Board_20-LED_OUT: D1#46.2 J11#6.1 J12#24.1
Board_20-VDD: C1#13.2 C2#43.2 D1#46.1 J1#16.1 J2#18.1 R3#47.1
Board_20-VDDA: C3#38.2 C4#3.2 J5#14.1 J6#40.1 R3#47.2 U1#43.1
Board_20-Vout: J9.1 J10#19.1 U1#43.2
Board_21-GNDA: C3#29.1 C4#27.1 J3#7.1 J4#35.1 R1#39.2 R2#22.2 U1#42.3
Board_21-GNDD: C1#49.1 C2#37.1 D1#16.3 J7#21.1 J8#47.1 R1#39.1 R2#22.1
Board_21-LED_IN: D1#16.4 J13#21.1 J14#12.1
Board_21-LED_OUT: D1#16.2 J11#20.1 J12#13.1
Board_21-VDD: C1#49.2 C2#37.2 D1#16.1 J1#21.1 J2#2.1 R3#15.1
Board_21-VDDA: C3#29.2 C4#27.2 J5#38.1 J6#34.1 R3#15.2 U1#42.1
Board_21-Vout: J9#23.1 J10#4.1 U1#42.2
Board_22-GNDA: C3#35.1 C4#45.1 J3#45.1 J4.1 R1#2.2 R2#20.2 U1#25.3
Board_22-GNDD: C1#47.1 C2#32.1 D1#40.3 J7#13.1 J8#36.1 R1#2.1 R2#20.1
Board_22-LED_IN: D1#40.4 J13#13.1 J14#30.1
Board_22-LED_OUT: D1#40.2 J11#18.1 J12#17.1
Board_22-VDD: C1#47.2 C2#32.2 D1#40.1 J1#32.1 J2#31.1 R3#26.1
Board_22-VDDA: C3#35.2 C4#45.2 J5#2.1 J6#50.1 R3#26.2 U1#25.1
Board_22-Vout: J9#13.1 J10#45.1 U1#25.2
Board_23-GNDA: C3#49.1 C4#33.1 J3#33.1 J4#36.1 R1#36.2 R2#25.2 U1#37.3
Board_23-GNDD: C1#26.1 C2#6.1 D1#36.3 J7#9.1 J8#30.1 R1#36.1 R2#25.1
Board_23-LED_IN: D1#36.4 J13#9.1 J14#50.1
Board_23-LED_OUT: D1#36.2 J11#25.1 J12#16.1
Board_23-VDD: C1#26.2 C2#6.2 D1#36.1 J1#50.1 J2#39.1 R3#20.1
Board_23-VDDA: C3#49.2 C4#33.2 J5#8.1 J6#41.1 R3#20.2 U1#37.1
Board_23-Vout: J9#49.1 J10#49.1 U1#37.2
Board_24-GNDA: C3#30.1 C4#8.1 J3#5.1 J4#3.1 R1#18.2 R2#14.2 U1#44.3
Board_24-GNDD: C1#20.1 C2#5.1 D1#14.3 J7#43.1 J8#18.1 R1#18.1 R2#14.1
Board_24-LED_IN: D1#14.4 J13#4.1 J14#28.1
Board_24-LED_OUT: D1#14.2 J11#12.1 J12#5.1
Board_24-VDD: C1#20.2 C2#5.2 D1#14.1 J1#12.1 J2#20.1 R3#34.1
Board_24-VDDA: C3#30.2 C4#8.2 J5#45.1 J6#36.1 R3#34.2 U1#44.1
Board_24-Vout: J9#30.1 J10#14.1 U1#44.2
Board_25-GNDA: C3#11.1 C4#48.1 J3#20.1 J4#21.1 R1#40.2 R2#27.2 U1#16.3
Board_25-GNDD: C1#16.1 C2#13.1 D1#9.3 J7#36.1 J8#50.1 R1#40.1 R2#27.1
Board_25-LED_IN: D1#9.4 J13#46.1 J14.1
Board_25-LED_OUT: D1#9.2 J11#45.1 J12#47.1
Board_25-VDD: C1#16.2 C2#13.2 D1#9.1 J1#40.1 J2#16.1 R3#27.1
Board_25-VDDA: C3#11.2 C4#48.2 J5#30.1 J6#12.1 R3#27.2 U1#16.1
Board_25-Vout: J9#22.1 J10#47.1 U1#16.2
Board_26-GNDA: C3.1 C4#7.1 J3#2.1 J4#37.1 R1#16.2 R2#39.2 U1#49.3
Board_26-GNDD: C1#21.1 C2#4.1 D1#29.3 J7#37.1 J8#12.1 R1#16.1 R2#39.1
Board_26-LED_IN: D1#29.4 J13#14.1 J14#2.1
Board_26-LED_OUT: D1#29.2 J11#11.1 J12#21.1
Board_26-VDD: C1#21.2 C2#4.2 D1#29.1 J1.1 J2#4.1 R3#4.1
Board_26-VDDA: C3.2 C4#7.2 J5#4.1 J6#44.1 R3#4.2 U1#49.1
Board_26-Vout: J9#42.1 J10#27.1 U1#49.2
Board_27-GNDA: C3#5.1 C4#29.1 J3#8.1 J4#41.1 R1#34.2 R2#49.2 U1#15.3
